# Altium PCB PCB_Incense_V20.PcbDoc (part 2 of 3) (continued)
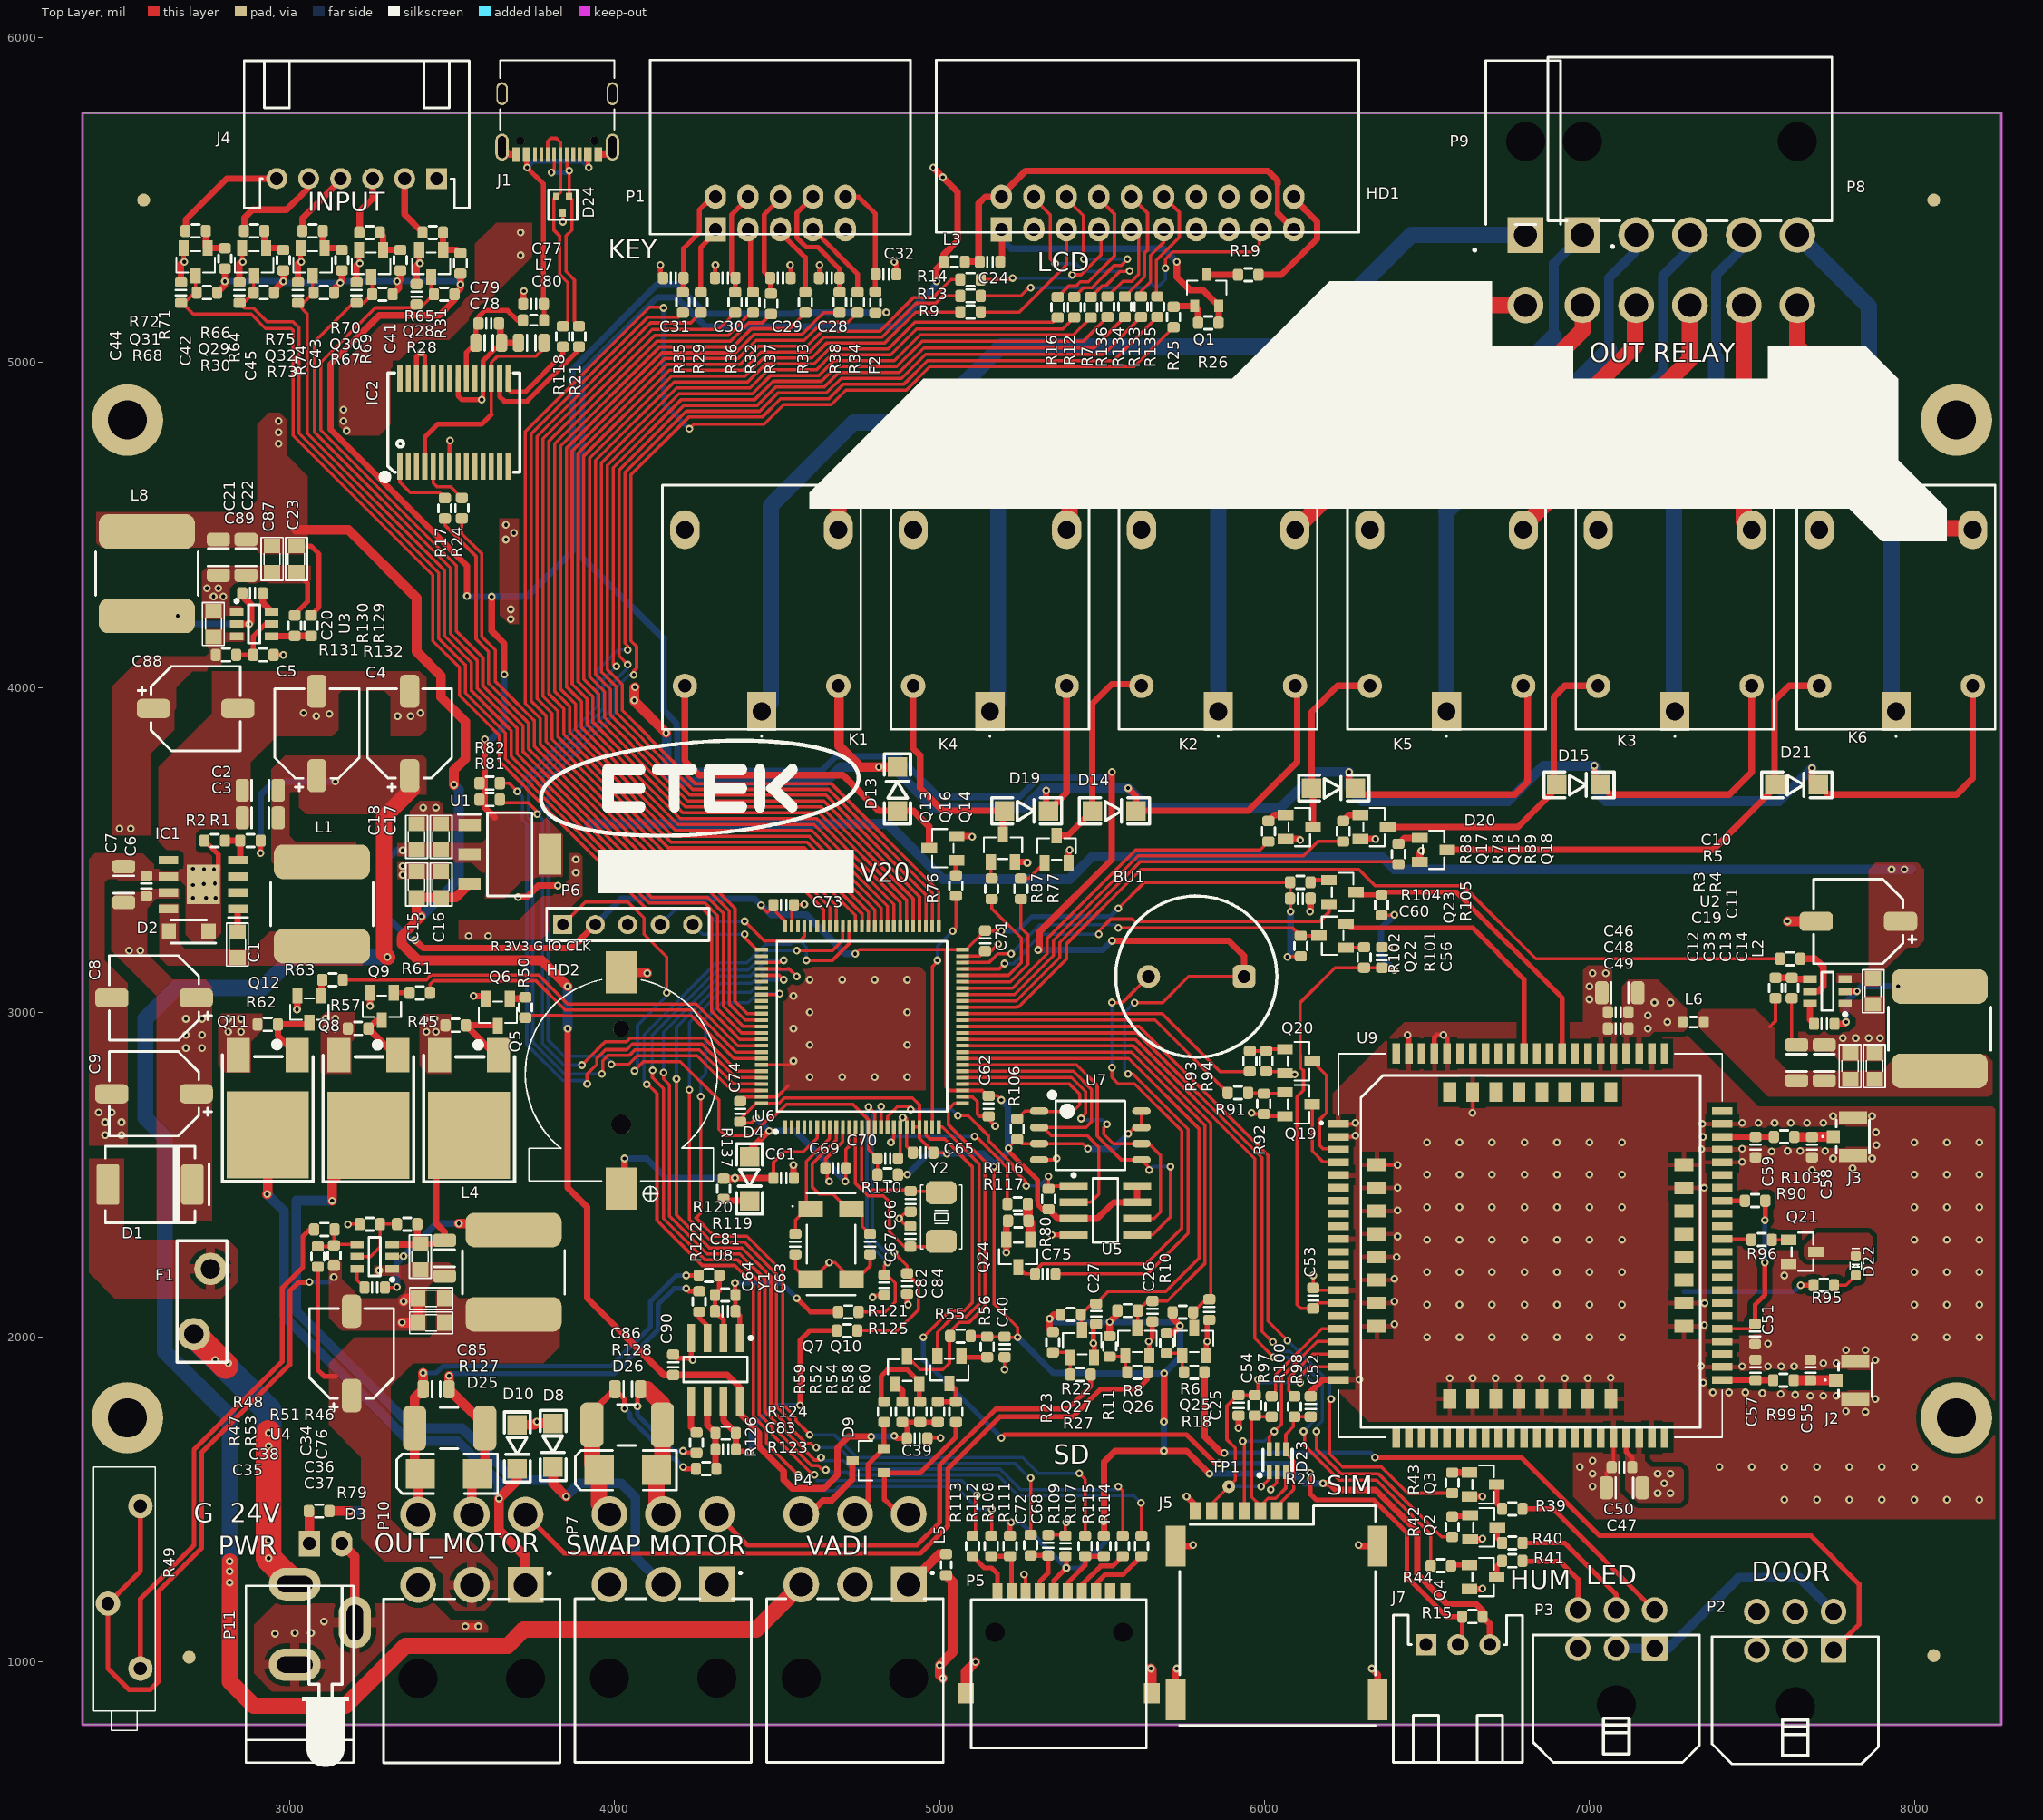
[diagram p0: Top Layer view]
## Nets (pads, with @x,y where several pads share a name; then routed paths per layer and width w, separated by ;. In a path a pad name is that pad's centre, name@x,y a point inside that pad or via, vN(x,y) a via of type N, cw(c..) or ccw(c..) an arc to the next point about the centre after c; other vN are vias at no path point) (continued)
  Top Layer w20: C44.1@2665,5246.5 2665,5304 v1@2673,5312 ; C42.1@2845,5246.5 2845,5304 v1@2853,5312 ; v1(3021.84,3008.63) 3022.49,3009.29 3022.49,3051.48 Q12.2@3023,3051.99 ; C45.1@3025,5246.5 3025,5304 v1@3033,5312 ; C43.1@3205,5246.5 3205,5299 v1@3213,5307 ; Q9.2@3246,3060 3246.3,3059.7 3246.3,3019.5 v1(3246.68,3019.12) ; C41.1@3390,5241.5 3390,5299 v1@3398,5307 ; v1(3540,1110) v1(3580,1110) ; v1(3565,3050) 3594.99,3050 Q6.2@3603,3041.99 ; C79.2@3643.7,5119.76 3647.64,5115.83 3647.64,5064.65 3650,5062.28 C78.1@3651.57,5060.71 3703.53,5060.71 C80.2@3703.6,5060.78 ; J1.SH2@3653.07,5662.73 3675.51,5640.29 J1.B1_A12@3697.17,5640.29 ; v1(3702.46,3355) 3705,3355 3730,3355 3765,3390 v1(3825,3390) ; C77.1@3718.5,5180 3718.5,5218.5 v1(3720,5220) ; R128.2@3930,1769.37 C86.2@4000.63,1840 ; J1.A1_B12@3949.13,5640.29 3970.79,5640.29 J1.SH1@3993.23,5662.73 ; v1(4550,2530) 4550,2491.5 C61.1@4551.5,2490 ; P4.6@4574.09,1455.04 4598.51,1455.04 4640.47,1497 4667,1497 4731.77,1561.77 D9.3@4731.77,1620 ; Q13.2@5051.99,3542 5098,3542 v1(5100,3540) ; HD1.1@5190,5410 5191.5,5408.5 C24.1@5191.5,5310 ; v1(5205,2260) Q24.2@5205,2300 5205,2352.5 R117.2@5210.51,2358.01 ; Q16.2@5232,3463.01 5266.99,3463.01 v1(5270,3460) ; Q14.2@5397,3460.02 5397,3497 v1(5400,3500) ; J5.Shell@5726.22,883.39 5726.22,976.22 v1(5730,980) ; J5.Shell@5726.22,1356.61 5776.61,1356.61 v1(5780,1360) ; v1(5730,5310) 5730,5263.24 5770.18,5223.06 5810.36,5223.06 Q1.2@5859.45,5173.98 5859.45,5123.11 R26.2@5858.54,5122.2 ; v1(5760,1510) 5787.64,1482.36 J5.C5@5787.64,1465.08 ; v1(5920,1720) C54.2@5920,1758.51 ; Q17.2@6065.02,3533 6107,3533 v1(6110,3530) ; v1(6140,3310) 6141.5,3311.5 C60.1@6141.5,3350 ; C52.2@6142.09,1817.96 6142.09,1832.09 6178.86,1868.86 U9.81@6227.56,1868.86 ; v1(6290,1360) 6293.39,1356.61 J5.Shell@6348.27,1356.61 ; Q15.2@6295.02,3533 6340.86,3533 v1(6341.04,3533.19) ; v1(6330,980) 6348.27,961.73 J5.Shell@6348.27,883.39 ; Q18.2@6478.01,3463 6478.01,3492.36 v1(6482.82,3497.18) ; Q4.2@6630.76,1224.65 6668.91,1224.65 v1(6670.73,1226.48) ; Q3.2@6630.76,1509.65 6631.11,1510 v1(6670,1510) ; Q2.2@6632.75,1377.65 6667.65,1377.65 v1(6670,1380)
  Top Layer w30: D3.2@3160,1365 3200,1325 P11.3@3200,1121.89 ; v1(3344.63,2045.17) 3345.23,2044.57 C37.1@3394.92,2044.57 C36.1@3394.92,2119.57 3359.57,2119.57 v1(3350,2110) ; P10.6@3394.65,1453.94 3394.65,1573.23 D25.2@3401.42,1580 3383.7,1597.72 R127.2@3383.7,1720 3383.7,1813.07 C85.2@3410.63,1840 3410.63,1879.37 3410,1880 v1(3410,1890) ; D10.1@3700,1730 3752.01,1730 3757.01,1735 D8.1@3810,1735 ; HD2.2@4020,3123.17 4096.83,3123.17 v1(4100,3120) ; P5.9@5080.51,904.45 5080.51,970.51 v1(5110,1000) ; v1(5650,980) 5653.35,976.65 P5.10@5653.35,904.45 ; v1(7610,3280) 7610.39,3279.61 C10.2@7697.87,3279.61
  Top Layer w50: R128.2@3930,1769.37 R128.2@3930,1730 3930,1611.42 D26.2@3951.42,1590 3951.42,1487.17 P7.6@3983.54,1455.04
  Bottom Layer w15: v1(3060,2170) 3120,2170 v1(3135,2185) ; v1(3410,1890) 3450,1890 3470,1910 3486.97,1910 3487.74,1910.77 3988.24,1910.77 4110,2032.53 4110,2110 4190,2190 v1(4220,2190) ; v1(4030,1780) 4047,1763 4047,1750.47 4170.47,1627 4183,1627 v1(4210,1600)
  Bottom Layer w20: HD1.1@5190,5410 5190,5380 5220,5350 5690,5350 v1(5730,5310)
  other v1: 2953.96,1087.54 3015,1090 3065,1090 3105,1125 7600,1500 7700,1500 7800,1500 7900,1500 8000,1500 8100,1500 8200,1500 7010,1540 7010,1580 6970,1600 7400,1600 7500,1600 7600,1600 7700,1600 7800,1600 7900,1600 8000,1600 7010,1620 3760,1740 7850,1770 7789.18,1771.89 7880,1810 7680,1820 7720,1820 7760,1820 7633.79,1823 7588.62,1825.03 7532.39,1827.98 7380,1830 7430,1830 7480,1830 7350,1860 6292.06,1869.27 6569.67,1874.31 6640.54,1874.31 6711.4,1874.31 6782.27,1874.31 6853.13,1874.31 6924,1874.31 6994.87,1874.31 7065.73,1874.94 7470,1910 7550,1910 7590,1910 7630,1910 7343.24,1910.81 7720,1920 7760,1920 4240,1930 7880,1930 7790,1960 7850,1960 7550,1980 6500,2000 6600,2000 6700,2000 6800,2000 6900,2000 7000,2000 7100,2000 8000,2000 8100,2000 8200,2000 7353.35,2036.87 6400,2040 6500,2100 6600,2100 6700,2100 6800,2100 6900,2100 7000,2100 7100,2100 8000,2100 8100,2100 8200,2100 7354.03,2104.87 6400,2110 6400,2180 7600,2190 6500,2200 6600,2200 6700,2200 6800,2200 6900,2200 7000,2200 7100,2200 8000,2200 8100,2200 8200,2200 3274.42,2205.27 6406.81,2246.81 6500,2300 6600,2300 6700,2300 6800,2300 6900,2300 7000,2300 7100,2300 8000,2300 8100,2300 8200,2300 6410,2310 6410,2390 6500,2400 6600,2400 6700,2400 6800,2400 6900,2400 7000,2400 7100,2400 8000,2400 8100,2400 8200,2400 6410,2460 7352.76,2459.56 6500,2500 6600,2500 6700,2500 6800,2500 6900,2500 7000,2500 7100,2500 8000,2500 8100,2500 8200,2500 7684.68,2514.56 7810,2520 7470,2540 7750,2550 7870,2550 7561.07,2571.48 7610.42,2573.15 7725.31,2573.34 7648.78,2573.53 7344.09,2578.28 7470,2580 7882.84,2591.4 6500,2600 6600,2600 6700,2600 6800,2600 6900,2600 7000,2600 7100,2600 8000,2600 8100,2600 8200,2600 7349.36,2616.12 2431.67,2621.67 2481.67,2621.67 7881.9,2630.88 7347.12,2656.36 7470,2660 7520,2660 7570,2660 7620,2660 7670,2660 7720,2660 2431.67,2661.67 2481.67,2661.67 7750,2680 7870,2680 2411.67,2691.67 2451.67,2691.67 4600,2800 4700,2800 4800,2800 4900,2800 4600,2900 4900,2900 7779.61,2920.39 7819.61,2920.39 7859.61,2920.39 7894.63,2920.84 4550,2950 4600,3000 4900,3000 7000,3040 4550,3050 7000,3080 4600,3100 4700,3100 4800,3100 4900,3100 7010,3120 7050,3120 2701.67,3351.67 2741.67,3351.67 2771.67,3351.67 2701.67,3391.67 2769.1,3396.23 3347,3422.72 2735.71,3440.34 2766.72,3439.84 2701.67,3441.67 3347,3450 3410,3630 3450,3630 3081.67,3911.67 3331.67,3911.67 3371.67,3911.67 3121.77,3918.71 3041.67,3921.67 3401.67,3921.67 3680,4210 3680,4240 2765,4280 2795,4280 2745,4305 2780,4305 3665,4455 3690,4475 3665,4500 3215,5305 3400,5305 2675,5310 2855,5310 3035,5310
DOOR: P2.1 R18.1 | length 2635.5
  Top Layer w15: v1(6340,1630) 6790,1630 7030,1390 7680,1390 7830,1240 7830,1116.04 P2.1@7751.26,1037.29
  Top Layer w20: R18.1@5815,1891.75 5815,1695 5866.42,1643.58 v1(5876.38,1643.58)
  Bottom Layer w15: v1(5876.38,1643.58) 6326.42,1643.58 v1(6340,1630)
DROP: P10.4 R20.1 | length 2310.8
  Top Layer w15: P10.4@3725.35,1453.94 3844.79,1334.5 4940.56,1334.5 5025.5,1419.44 5025.5,1595.5 5185,1755 5410,1755 5495,1840 5610,1840 5640,1870 R20.1@5640,1891.75
EMPTY: P7.4 R27.1 | length 1531
  Top Layer w15: P7.4@4314.25,1455.04 4409.29,1360 4930,1360 5000,1430 5000,1606.06 5173.31,1779.37 5394.37,1779.37 5465,1850 R27.1@5465,1884.74
Flight_mode: R90.2 U9.54 | length 69.9
  Top Layer w15: U9.54@7408.66,2420.04 U9.54@7408.66,2420.04 R90.2@7478.51,2420
FRAM_CS: R80.2 U5.1 U6.17 | length 815
  Top Layer w10: U6.17@4839.57,2646.61 4839.57,2679.57 4870,2710 4910,2710 4919.99,2700.01 v1(4910.99,2700) ; v1(5056.33,2682.09) 5087.91,2682.09 5150,2620 5150,2605.46 5226.51,2528.95 5226.51,2516.93 5266.19,2477.25 v1(5266.19,2465.17) ; v1(5335,2495) R80.2@5335,2456.49 5343.51,2465 U5.1@5412.56,2465
  Bottom Layer w10: v1(4910.99,2700) 5038.42,2700 v1(5056.33,2682.09) ; v1(5266.19,2465.17) 5305.17,2465.17 v1(5335,2495)
GND_motor: C85.1 D25.1 P10.5 R122.2 R127.1 | length 1419.9
  Top Layer w15: v1(4220,2150) 4228.51,2141.49 R122.2@4260,2141.49
  Top Layer w30: v1(3490,1880.5) 3490,1840.63 C85.1@3489.37,1840 3600.24,1729.13 R127.1@3600.24,1720 3600.24,1601.65 D25.1@3578.58,1580 3560,1561.42 P10.5@3560,1453.94
  Bottom Layer w15: v1(3490,1880.5) 3497.27,1887.77 3997.77,1887.77 4133,2023 4133,2100.47 4182.53,2150 v1(4220,2150)
GND_SWap_motor: C86.1 D26.1 P7.5 R126.2 R128.1 | length 754.3
  Top Layer w15: v1(4070,1787.08) 4070,1830.63 C86.1@4079.37,1840 ; v1(4210,1650) 4216.49,1643.51 R126.2@4251.49,1643.51
  Top Layer w20: C86.1@4079.37,1840 4100,1840
  Top Layer w50: 4100,1840 4146.54,1793.47 R128.1@4146.54,1730 4146.54,1607.95 D26.1@4128.58,1590 4128.58,1475.35 P7.5@4148.9,1455.04
  Bottom Layer w15: v1(4070,1787.08) 4070,1760 4180,1650 v1(4210,1650)
Heater: R76.2 U6.24 | length 742
  Top Layer w10: U6.24@4977.36,2646.61 4977.36,3140.57 4993,3156.21 v1(4993,3160) ; v1(5040,3250) 5050,3260 R76.2@5050,3358.51
  Bottom Layer w10: v1(4993,3160) 4993,3203 v1(5040,3250)
Heater1: K1.3 P9.2 | length 2457.9
  Top Layer w50: K1.3@4688.23,4485 4688.23,4578.23 4832.5,4722.5 4835,4720 5150,4720 5250,4820 5860,4820 6215.83,5175.83 P9.2@6803.28,5175.83
Heater2: K1.1 P9.1 | length 3313.7
  Bottom Layer w50: K1.1@4452.01,3925.94 4480,3953.94 4480,4560 4735,4815 4955,4815 5190,5050 6110,5050 6452.36,5392.36 P9.1@6803.28,5392.36
I_M_SENSE: C81.1 R119.2 R121.1 U8.1 | length 529.5
  Top Layer w15: v1(4370,2166.47) 4370,2131.49 R119.2@4371.49,2130 C81.1@4371.5,2080 4385,2066.5 U8.1@4385,1997.44 ; v1(4560,2120) 4602.25,2077.75 R121.1@4687.47,2077.75
  Bottom Layer w15: v1(4370,2166.47) 4513.53,2166.47 v1(4560,2120)
IN_DOOR: C25.2 Q25.3 R6.2 U6.35 | length 1523.5
  Top Layer w10: U6.35@5070.47,2897.2 5596.43,2897.2 5835,2658.63 5835,2121.49 C25.2@5830,2116.49 5819.74,2116.49 R6.2@5780,2076.75 5780,2032.27 Q25.3@5783.5,2028.76
IN_DROP: C26.2 Q26.3 R8.2 U6.34 | length 1584.9
  Top Layer w10: U6.34@5070.47,2877.52 5590.66,2877.52 5817,2651.18 5817,2227.65 5700.84,2111.49 C26.2@5655,2111.49 5639.74,2111.49 R8.2@5610,2081.75 5610,2030.25 Q26.3@5608.5,2028.76
IN_EMPTY: C27.2 Q27.3 R22.2 U6.33 | length 1701
  Top Layer w10: U6.33@5070.47,2857.83 5582.17,2857.83 5799,2641 5799,2244 5695,2140 5518.22,2140 C27.2@5481.93,2103.71 5468.97,2103.71 R22.2@5435,2069.74 5435,2025.26 Q27.3@5438.5,2021.75
INPUT1: J4.2 R65.1 | length 188.8
  Top Layer w20: J4.2@3353.15,5565.9 3353.15,5455.35 R65.1@3408.5,5400
INPUT2: J4.3 R70.1 | length 183
  Top Layer w20: R70.1@3213.5,5400 3215,5401.5 3215,5465 3254.72,5504.72 J4.3@3254.72,5565.9
INPUT3: J4.4 R75.1 | length 209.7
  Top Layer w20: R75.1@3038.5,5405 3038.5,5443.5 3156.3,5561.3 J4.4@3156.3,5565.9
INPUT4: J4.5 R66.1 | length 305
  Top Layer w20: R66.1@2858.5,5405 2860,5406.5 2860,5445 2885,5470 2990,5470 3057.87,5537.87 J4.5@3057.87,5565.9
INPUT5: J4.6 R72.1 | length 367.2
  Top Layer w20: R72.1@2678.5,5405 2680,5406.5 2680,5440 2805.9,5565.9 J4.6@2959.47,5565.9
KP_COL1: R29.1 U6.63 | length 2828.1
  Top Layer w10: R29.1@4264.97,5153.23 4233.77,5122.02 4110.26,5122.02 4102.24,5114 3761,4772.76 3761,3965.37 3762,3964.37 3797,3929.35 3807,3919.35 3807,3840.29 3889,3758.29 3889,3756.46 4157.46,3488 4576.53,3488 4760.83,3303.7 U6.63@4760.83,3265.91
KP_COL2: R32.1 U6.61 | length 2945.5
  Top Layer w10: 3798,3979.26 3833,3944.26 3843,3934.26 3843,3855.2 3925,3773.2 3925,3771.37 4172.37,3524 4591.44,3524 4800.2,3315.25 U6.61@4800.2,3265.91 ; 3798,3979.28 3797,3980.28 3797,4757.85 4123.13,5083.98 4349.42,5083.98 4418.67,5153.23 R32.1@4425.77,5153.23
KP_COL3: R33.1 U6.59 | length 3063
  Top Layer w10: 3834,3994.17 3869,3959.17 3879,3949.17 3879,3870.11 3961,3788.11 3961,3786.28 4187.28,3560 4606.35,3560 4839.57,3326.79 U6.59@4839.57,3265.91 ; 3834,3994.19 3833,3995.19 3833,4742.94 4138.04,5047.98 4364.34,5047.98 4420.35,5104 4537.34,5104 R33.1@4586.57,5153.23
KP_COL4: R34.1 U6.57 | length 3180.4
  Top Layer w10: R34.1@4747.36,5153.23 4718.36,5124.22 4639.14,5124.22 4582.92,5068 4435.27,5068 4379.25,5011.98 4152.95,5011.98 3869,4728.03 3869,4010.1 3870,4009.1 3905,3974.08 3915,3964.08 3915,3885.02 3997,3803.02 3997,3801.19 4202.19,3596 4621.27,3596 4878.94,3338.33 U6.57@4878.94,3265.91
KP_ROW1: R35.1 U6.64 | length 2794.5
  Top Layer w10: R35.1@4209.71,5153.23 4196.5,5140.02 4102.8,5140.02 4098.78,5135.99 3743,4780.22 3743,3957.91 3744,3956.91 3779,3921.89 3789,3911.89 3789,3832.83 3871,3750.83 3871,3749 4150,3470 4569.07,3470 4740.24,3298.84 4740.24,3266.81 U6.64@4741.14,3265.91
KP_ROW2: R36.1 U6.62 | length 2911.9
  Top Layer w10: R36.1@4370.5,5153.23 4319.26,5101.98 4115.68,5101.98 3779,4765.31 3779,3972.82 3780,3971.82 3815,3936.8 3825,3926.8 3825,3847.74 3907,3765.74 3907,3763.91 4164.91,3506 4583.99,3506 4780.51,3309.47 U6.62@4780.51,3265.91
KP_ROW3: R37.1 U6.60 | length 2977.2
  Top Layer w10: 3816,3986.71 3851,3951.71 3861,3941.71 3861,3862.65 3943,3780.65 3943,3778.82 4179.82,3542 4598.9,3542 4819.88,3321.02 U6.60@4819.88,3265.91 ; 3816,3986.73 3815,3987.73 3815,4750.4 4130.59,5065.98 4356.88,5065.98 4412.9,5122 4453.78,5122 R37.1@4480.84,5149.06
KP_ROW4: R38.1 U6.58 | length 3146.8
  Top Layer w10: R38.1@4692.1,5153.23 4643.23,5153.23 4632.22,5142.22 4631.68,5142.22 4575.46,5086 4427.81,5086 4371.79,5029.98 4145.5,5029.98 3851,4735.48 3851,4002.65 3852,4001.65 3887,3966.63 3897,3956.63 3897,3877.56 3979,3795.56 3979,3793.73 4194.73,3578 4613.81,3578 4859.25,3332.56 U6.58@4859.25,3265.91
LCD_CLK: HD1.6 R12.2 | length 560.4
  Top Layer w10: HD1.6@5390,5510 5390,5505 5442.5,5452.5 5442.5,5319.06 v1(5443.56,5318) ; R12.2@5414.45,5201.49 5437.47,5224.52 5442.95,5230 5468.61,5230 5536.61,5298 5558,5298 v1(5578,5318)
  Bottom Layer w10: v1(5443.56,5318) v1(5578,5318)
LCD_CS: HD1.4 R7.2 | length 626.1
  Top Layer w10: HD1.4@5290,5510 5290,5505 5340,5455 5340,5320 v1(5355.91,5304.09) ; R7.2@5465.56,5201.49 5499.34,5235.28 5510.28,5235.28 5555,5280 5584.66,5280 v1(5584.66,5281.28)
  Bottom Layer w10: v1(5355.91,5304.09) 5419.28,5304.09 5428.05,5295.32 5428.9,5295.32 5444.23,5280 5584.66,5280 v1(5584.66,5281.28)
LCD_DI: HD1.5 R9.2 | length 433.6
  Top Layer w10: R9.2@5126.49,5155 5245,5155 5390,5300 HD1.5@5390,5410
LCD_DO: HD1.8 R16.2 | length 428.9
  Top Layer w10: R16.2@5363.33,5201.49 5396.84,5235 5420.05,5235 5433.05,5248 5458,5248 5538,5328 5538,5457 5490,5505 HD1.8@5490,5510
LCD_INT: HD1.7 R14.2 | length 477
  Top Layer w10: R14.2@5126.49,5255 5220,5255 v1(5225,5260) ; v1(5408.02,5270) 5435,5270 5497.32,5332.32 5497.32,5402.68 HD1.7@5490,5410
  Bottom Layer w10: v1(5225,5260) v1@5405.61,5260
LCD_KLIGHT: HD1.20 R19.1 | length 385.2
  Top Layer w20: R19.1@5981.5,5270 6051.5,5270 6161.5,5380 6161.5,5433.5 6090,5505 HD1.20@6090,5510
LCD_RST: HD1.17 R13.2 | length 1029.9
  Top Layer w10: R13.2@5126.49,5205 5250,5205 5280,5235 v1(5280,5230) ; v1(5695,5290) 5695,5317.37 5700,5322.37 5717.63,5340 5960,5340 5983.91,5363.91 5983.91,5403.91 HD1.17@5990,5410
  Bottom Layer w10: v1(5280,5230) 5635.14,5230 5650.14,5245 5665.14,5230 5670.14,5235 5672.57,5232.57 5675,5235 5695,5255 v1(5695,5290)
LCD_VDD: C24.2 HD1.2 HD1.19 L3.2 | length 1368.9
  Top Layer w15: 6040,5460 6040,5550
  Top Layer w20: L3.2@5083.54,5310 C24.2@5123.51,5310 5120,5313.51 5120,5490 5140,5510 HD1.2@5190,5510 5190,5515 5265,5590 6010,5590 6040,5560 6040,5550 ; 6040,5460 HD1.19@6090,5410
LED_1: R43.2 U6.38 | length 2539.8
  Top Layer w10: U6.38@5070.47,2956.26 5613.74,2956.26 6010,2560 6010,2050 v1(6070,1990) ; v1(6205,1810) 6200,1810 6200,1640.91 6240.91,1600 6360,1600 6439.84,1520.16 R43.2@6577.75,1520.16
  Bottom Layer w10: v1(6070,1990) 6085.61,1974.39 6086.53,1974.39 6166,1894.91 6196,1864.91 6196,1864 6200,1860 6200,1810 v1(6205,1810)
LED_2: R42.2 U6.37 | length 2616
  Top Layer w10: U6.37@5070.47,2936.57 5607.97,2936.57 5992,2552.54 5992,2018 6025,1985 6025.52,1985.52 v1(6025.52,1985.9) ; v1(6160,1710) 6160,1655.46 6235.46,1580 6350,1580 6544.84,1385.16 R42.2@6577.75,1385.16
  Bottom Layer w10: v1(6025.52,1985.9) 6025.52,1983.4 6022.12,1980 6030,1980 6053.61,1956.39 6079.07,1956.39 6148,1887.46 6178,1857.46 6178,1742.54 6160,1724.54 v1(6160,1710)
LED_3: R44.2 U6.36 | length 2652.8
  Top Layer w10: U6.36@5070.47,2916.89 5602.2,2916.89 5969.54,2549.54 5969.54,1996.5 v1(6027.66,1938.39) ; v1@6124,1710 6124,1666 6230,1560 6344.54,1560 6511.26,1393.28 R44.2@6511.26,1296.65
  Bottom Layer w10: v1(6027.66,1938.39) 6071.61,1938.39 6160,1850 6160,1750 v1(6120,1710)
MCU_4G_RX: Q22.3 R102.2 U6.48 | length 1159.9
  Top Layer w10: U6.48@5070.47,3153.11 5151.42,3153.11 5178.31,3180 v1(5220,3180) ; v1(5550,3260) 6086.61,3260 R102.2@6111.38,3235.23 6166.87,3235.23 Q22.3@6167.38,3235.74
  Bottom Layer w10: v1(5220,3180) 5310,3270 5540,3270 v1(5550,3260)
MCU_4G_TX: Q23.2 U6.47 | length 1239.7
  Top Layer w10: U6.47@5070.47,3133.43 5183.43,3133.43 v1(5200,3150) ; v1(5490,3240) 5490,3250 5527,3287 5593,3287 5600,3280 6170,3280 6198.01,3308.01 Q23.2@6198.01,3333
  Bottom Layer w10: v1(5200,3150) 5228.18,3150 5261.34,3183.16 5261.34,3188.62 5312.72,3240 v1(5490,3240)
MCU_DEBUG_RX: R17.1 U6.69 | length 1980
  Top Layer w10: R17.1@3477.05,4519.49 3477.05,4499.49 3572.99,4403.54 3572.99,4148.51 3612,4109.5 3612,4012.54 3613.96,4010.59 3690,3934.54 ; 3690,3934.52 3725,3899.52 3735,3889.52 3735,3810.46 3748.46,3797 3817,3728.46 3817,3726.32 4129.32,3414 4545.09,3414 4642.72,3316.37 U6.69@4642.72,3265.91
MCU_DEBUG_TX: R24.1 U6.68 | length 1967
  Top Layer w10: R24.1@3529.32,4520.05 3529.32,4472.67 3590.99,4410.99 3590.99,4155.96 3631.96,4115 3631.96,4018.04 3707,3943 3708,3942 3743,3906.98 3753,3896.98 3753,3817.92 3755.92,3815 3835,3735.92 3835,3733.77 4136.77,3432 4552.54,3432 4662.4,3322.14 U6.68@4662.4,3265.91
MCU_IN1: C41.2 Q28.3 R28.2 U6.86 | length 3184.5
  Top Layer w10: Q28.3@3435,5262.99 3435,5218.51 R28.2@3443.51,5210 3412.01,5178.51 C41.2@3390,5178.51 3379.49,5168 3263,5168 3095,5000 3095,4791.82 3512,4374.82 3512,4173 3594,4091 3594,4005.09 3672,3927.09 ; 3672,3927.07 3707,3892.07 3717,3882.07 3717,3803.01 3741.01,3779 3799,3721.01 3799,3718.86 4127.86,3390 4300,3390 4370,3320 4370,3033.19 4407.56,2995.63 U6.86@4451.18,2995.63
MCU_IN2: C43.2 Q30.3 R67.2 U6.87 | length 3080.7
  Top Layer w10: Q30.3@3250,5262.99 3253.51,5259.48 R67.2@3253.51,5210 3227.01,5183.51 C43.2@3205,5183.51 3195.52,5183.51 3075,5062.98 3075,4786.37 3494,4367.37 3494,4165.54 3576,4083.54 3576,3997.63 3654,3919.63 ; 3654,3919.61 3689,3884.61 3699,3874.61 3699,3795.55 3733.55,3761 3781,3713.55 3781,3711.41 4120.4,3372 4292.54,3372 4352,3312.54 4352,3025.73 4401.79,2975.94 U6.87@4451.18,2975.94
MCU_IN3: C45.2 Q32.3 R73.2 U6.88 | length 3067.1
  Top Layer w10: Q32.3@3070,5267.99 3070,5218.51 R73.2@3073.51,5215 3042.01,5183.51 C45.2@3025,5183.51 3025,5178.51 3053.51,5150 3053.51,4782.41 3476,4359.91 3476,4158.09 3558,4076.09 3558,3990.18 3636,3912.18 ; 3636,3912.16 3671,3877.16 3681,3867.16 3681,3788.1 3726.1,3743 3763,3706.1 3763,3703.95 4112.95,3354 4285.09,3354 4334,3305.09 4334,3018.28 4395.98,2956.3 4451.14,2956.3 U6.88@4451.18,2956.26
MCU_IN4: C42.2 Q29.3 R30.2 U6.89 | length 3221.3
  Top Layer w10: Q29.3@2890,5267.99 2888.51,5266.5 R30.2@2888.51,5215 2857.01,5183.51 C42.2@2845,5183.51 2861.56,5166.95 2888.51,5166.95 2930.46,5125 3010,5125 3028,5107 3028,4782.46 3458,4352.46 3458,4150.63 3540,4068.63 3540,3982.72 3618,3904.72 3653,3869.7 3663,3859.7 3663,3780.64 3718.64,3725 3745,3698.64 3745,3696.49 4105.49,3336 4277.63,3336 4316,3297.63 4316,3010.82 4390.25,2936.57 U6.89@4451.18,2936.57
MCU_IN5: C44.2 Q31.3 R68.2 U6.90 | length 3413.2
  Top Layer w10: Q31.3@2710,5267.99 R68.2@2710,5218.51 ; R68.2@2713.51,5215 R68.2@2710,5218.51 ; U6.90@4451.18,2916.89 4384.48,2916.89 4298,3003.37 4298,3290.18 4270.18,3318 4098.04,3318 3727,3689.04 3727,3691.18 3711.18,3707 3645,3773.18 3645,3852.24 3600,3897.24 3522,3975.27 3522,4061.18 3440,4143.18 3440,4345 3010,4775 3010,5099.54 3004.77,5104.77 2925.23,5104.77 2881.05,5148.95 2702.51,5148.95 2671.48,5179.98 2667.95,5183.51 C44.2@2665,5183.51 2675,5183.51 R68.2@2710,5218.51
MCU_IO_BUZZ: R116.2 U6.18 | length 577.5
  Top Layer w10: v1(4850,2600) 4859.25,2609.25 U6.18@4859.25,2646.61 ; v1(5107.5,2617.5) 5110,2620 5208.51,2521.49 R116.2@5208.51,2410
  Bottom Layer w10: v1(4850,2600) 4850,2610 4860,2620 4862.5,2617.5 v1(5107.5,2617.5)
MCU_LCD_CLK: R12.1 U6.52 | length 3733.1
  Top Layer w10: 3960,4046.36 3986.36,4020 ; 3960,4046.38 3959,4047.38 3959,4690.75 4190.23,4921.98 4416.53,4921.98 4472.54,4978 4621.12,4978 4666.55,5023.42 4848.88,5023.42 4928.46,5103 5378.94,5103 R12.1@5414.45,5138.5 ; 3986.38,4020 3987,4019.38 3995,4011.38 ; 3995,4011.36 4005,4001.36 4005,3922.3 4087,3840.3 4087,3838.47 4239.47,3686 4658.54,3686 4977.36,3367.18 U6.52@4977.36,3265.91
MCU_LCD_CS: R7.1 U6.51 | length 3762.5
  Top Layer w10: 3978,4053.82 3993.82,4038 ; 3978,4053.84 3977,4054.84 3977,4683.29 4197.69,4903.98 4423.98,4903.98 4480,4960 4628.58,4960 4674,5005.42 4860.42,5005.42 4940,5085 5412.05,5085 R7.1@5465.56,5138.5 ; 3993.84,4038 4005,4026.84 4013,4018.84 ; 4013,4018.82 4023,4008.82 4023,3929.76 4105,3847.76 4105,3845.93 4246.93,3704 4666,3704 4997.05,3372.95 U6.51@4997.05,3265.91
MCU_LCD_DATA: R9.1 U6.54 | length 3432.3
  Top Layer w10: U6.54@4937.99,3265.91 4937.99,3355.64 4643.63,3650 4224.56,3650 4051,3823.56 4051,3825.39 3969,3907.39 3969,3986.45 3959,3996.45 3924,4031.45 3923,4032.47 3923,4705.66 4175.32,4957.98 4401.62,4957.98 4457.63,5014 4606.21,5014 4651.63,5059.42 4825,5059.42 4825.32,5059.74 4830.65,5059.74 4925.91,5155 R9.1@5063.5,5155
MCU_LCD_DO: R16.1 U6.53 | length 3703.6
  Top Layer w10: 3942,4038.9 3977,4003.9 3987,3993.9 3987,3914.84 4069,3832.84 4069,3831.01 4232.01,3668 4651.09,3668 4957.68,3361.41 U6.53@4957.68,3265.91 ; 3942,4038.93 3941,4039.93 3941,4698.21 4182.78,4939.98 4409.07,4939.98 4465.09,4996 4613.67,4996 4659.09,5041.42 4841.42,5041.42 4923.92,5123.92 5348.75,5123.92 R16.1@5363.33,5138.5
MCU_LCD_INT: R14.1 U6.56 | length 3517.1
  Top Layer w10: U6.56@4898.62,3265.91 4898.62,3344.1 4628.72,3614 4209.65,3614 4015,3808.65 4015,3810.48 3933,3892.48 3933,3971.54 3923,3981.54 3888,4016.54 3887,4017.56 3887,4720.57 4160.41,4993.98 4386.7,4993.98 4442.72,5050 4591.3,5050 4637.04,5095.74 4815.74,5095.74 4920,5200 4980,5200 5035,5255 R14.1@5063.5,5255
MCU_LCD_LIGHT: R25.2 U6.67 | length 4771.4
  Top Layer w10: v1(4150,5168) 4148,5170 4107.32,5170 3725,4787.68 3725,3950.46 3726,3949.46 3771,3904.44 3771,3825.37 3853,3743.37 3853,3741.23 4144.23,3450 4560,3450 4682.09,3327.91 U6.67@4682.09,3265.91 ; v1(4229.36,4795.64) 4243.71,4810 4460,4810 4520,4870 4666.37,4870 4711.37,4915 4897.28,4915 4969.7,4987.42 5598.92,4987.42 R25.2@5720,5108.51
  Bottom Layer w15: v1(4150,5168) 4150,4875 v1(4229.36,4795.64)
MCU_LCD_RST: R13.1 U6.55 | length 3474.7
  Top Layer w10: U6.55@4918.31,3265.91 4918.31,3349.87 4636.18,3632 4217.1,3632 4033,3816.1 4033,3817.93 3951,3899.93 3951,3978.99 3941,3988.99 3906,4023.99 3905,4025.01 3905,4713.12 4167.87,4975.98 4394.16,4975.98 4450.18,5032 4598.76,5032 4644.5,5077.74 4823.2,5077.74 4927.46,5182 4987.46,5182 5010.46,5205 R13.1@5063.5,5205
MCU_MOTOR_CUR: C82.2 R121.2 U6.15 | length 848.5
  Top Layer w10: R121.2@4750.46,2077.75 4832.75,2077.75 4863.26,2108.26 4863.26,2166.74 4838.51,2191.49 C82.2@4830,2191.49 4830,2220 v1(4840,2230) ; v1(4780.42,2708.61) 4781.39,2708.61 4800.2,2689.8 U6.15@4800.2,2646.61
  Bottom Layer w10: v1(4780.42,2708.61) 4780.91,2708.12 4776.01,2703.23 4776.01,2293.35 4827.36,2242 4828,2242 v1(4840,2230)
MCU_MOTOR_SWAP_CUR_ADC: C84.2 R125.1 U6.16 | length 987.3
  Top Layer w10: R125.1@4746.5,2020 4870,2020 4935,2085 4935,2161.49 C84.2@4900,2196.49 4900,2220 v1(4860,2260) ; U6.16@4819.88,2646.61 4819.88,2689.88 4820,2690 v1(4820,2709.54)
  Bottom Layer w10: v1(4820,2709.54) 4819.77,2709.77 4794.01,2684.01 4794.01,2300.8 4834.82,2260 v1(4860,2260)
MCU_RELAY1: R87.2 U6.46 | length 430.1
  Top Layer w10: U6.46@5070.47,3113.74 5211.92,3113.74 5250.96,3152.78 5250.96,3229.04 5160,3320 R87.2@5160,3348.51
MCU_RELAY2: R77.2 U6.45 | length 433.1
  Top Layer w10: U6.45@5070.47,3094.06 5217.69,3094.06 5271.82,3148.18 5271.82,3238.18 5250,3260 R77.2@5250,3348.51
MCU_RELAY3: R88.2 U6.44 | length 1155.6
  Top Layer w10: U6.44@5070.47,3074.37 5224.34,3074.37 5330.44,3180.47 5330.44,3226.81 5603.63,3500 5986.26,3500 R88.2@6012.01,3525.75
MCU_RELAY4: R78.2 U6.43 | length 1393.8
  Top Layer w10: U6.43@5070.47,3054.69 5230.11,3054.69 5350,3174.58 5350,3220.91 5611.09,3482 6120,3482 6163.75,3525.75 R78.2@6242.01,3525.75
MCU_RELAY5: R89.2 U6.42 | length 1549.8
  Top Layer w10: U6.42@5070.47,3035 5235.88,3035 5370,3169.12 5370,3215.46 5618.54,3464 6403.76,3464 R89.2@6412.01,3455.75
MCU_RX_VADI: Q7.3 R55.2 U6.26 | length 1097.4
  Top Layer w10: Q7.3@4899.92,1940.65 4899.92,1940.08 4940,1900 5010,1900 5030,1920 R55.2@5030,2003.49 ; R55.2@5032.41,2003.49 5032.41,2017.41 5060,2045 5090,2045 5140,2095 5140,2540.46 5027,2653.46 5027,2702 5045.04,2720.04 U6.26@5070.47,2720.04
MCU_TX_VADI: Q10.2 U6.25 | length 840.8
  Top Layer w10: Q10.2@4993,1941.99 4993,2015 5041,2063 5082.54,2063 5122,2102.46 5122,2533 5008.39,2646.61 U6.25@4997.05,2646.61
MODEM_KEY: R93.2 U6.40 | length 969
  Top Layer w10: U6.40@5070.47,2995.63 5684.37,2995.63 5862.12,2817.88 R93.2@5954.92,2817.88 R93.2@5947.17,2825.63
MODEM_RST: R91.2 U6.39 | length 908.8
  Top Layer w10: U6.39@5070.47,2975.94 5662.81,2975.94 R91.2@5886.56,2752.19
Net_Light: R96.2 U9.51 | length 90.6
  Top Layer w10: U9.51@7408.66,2301.93 7496.58,2301.93 R96.2@7498.51,2300
NetBU1_2: BU1.2 C75.1 Q24.3 | length 1534.2
  Top Layer w10: Q24.3@5242,2216 5263,2195 C75.1@5293.5,2195 5293.5,2203.5 5316.14,2226.14 5636.14,2226.14 5745,2335 5745,2635 5600,2780 5550,2780 5530,2800 v1(5530,2830) ; v1(5530,3030) 5563,3030 BU1.2@5643,3110
  Bottom Layer w10: v1(5530,2830) v1(5530,3030)
NetC19_1: C19.1 U2.6 | length 67.8
  Top Layer w20: U2.6@7678.66,3027.2 7678.66,2977.24 C19.1@7691.3,2964.61
NetC19_2: C19.2 L2.1 U2.2 | length 316.1
  Top Layer w20: C19.2@7754.29,2964.61 7784.61,2964.61 v1(7790,2970) ; U2.2@7786.93,3064.61 7823.46,3064.61 v1(7823.65,3064.8)
  Bottom Layer w20: v1(7790,2970) 7790,3031.15 v1(7823.65,3064.8) 7838.85,3080 v1(7950,3080)
NetC32_2: C32.2 F2.2 P1.10 | length 366
  Top Layer w15: P1.10@4710,5510 4750,5510 4802.36,5457.64 C32.2@4802.36,5276.14 ; F2.2@4802.86,5216.71 F2.2@4802.36,5217.2 C32.2@4802.36,5272.85 ; C32.2@4803.87,5271.34 C32.2@4802.36,5272.85 ; C32.2@4808.51,5270 C32.2@4802.36,5276.14 ; C32.2@4802.36,5272.85 C32.2@4802.36,5276.14
NetC34_2: C34.2 C76.2 Q5.2 R46.2 U4.3 | length 606
  Top Layer w20: U4.3@3315.12,2285.39 3398.39,2285.39 C34.2@3400.99,2287.99 ; R46.2@3392.48,2347.91 3392.48,2296.5 C34.2@3400.99,2287.99 ; Q5.2@3551.73,2621.65 3450,2519.92 3450,2350 3475.99,2324.01 C76.2@3475.99,2298.11 3465.87,2287.99 C34.2@3400.99,2287.99
NetC38_1: C38.1 U4.6 | length 67
  Top Layer w10: U4.6@3206.85,2210.59 3206.85,2175.62 C38.1@3229.49,2152.99
NetC38_2: C38.2 L4.1 U4.2 | length 565.4
  Top Layer w10: C38.2@3292.48,2152.99 3328.34,2152.99 v1(3329.92,2154.57) ; U4.2@3315.12,2247.99 3348.34,2247.99 v1(3349.92,2249.57)
  Top Layer w30: v1(3520,2350) 3668.5,2350 L4.1@3688.58,2329.92
  Bottom Layer w20: v1(3329.92,2154.57) 3329.92,2229.57 v1(3349.92,2249.57) 3450.35,2350 v1(3520,2350)
NetC52_1: C52.1 D23.4 J5.C3 R98.2 | length 383.9
  Top Layer w10: J5.C3@6037.64,1465.08 6037.64,1479.13 6090,1531.49 6090,1620 6065.59,1644.41 6065.59,1700.98 6088.84,1724.23 6088.84,1753.8 6090,1754.97 C52.1@6142.09,1754.97
NetC55_1: C55.1 J2.1 R99.2 | length 129.4
  Top Layer w30: R99.2@7628.78,1867.64 7679.92,1867.64 C55.1@7680.14,1867.42 7757.77,1867.42 J2.1@7757.99,1867.64
NetC58_1: C58.1 J3.1 R103.2 | length 120.5
  Top Layer w30: R103.2@7630.67,2616.78 7631.04,2616.41 C58.1@7685.07,2616.41 7685.73,2617.08 J3.1@7750.79,2617.08
NetC81_2: C81.2 R119.1 R120.1 U8.2 | length 208.9
  Top Layer w15: R120.1@4321.5,2190 4321.5,2143 R119.1@4308.5,2130 C81.2@4308.51,2080 4335,2053.51 U8.2@4335,1997.44